# KiCad board WS2812B LED Ring7.kicad_pcb (continued)
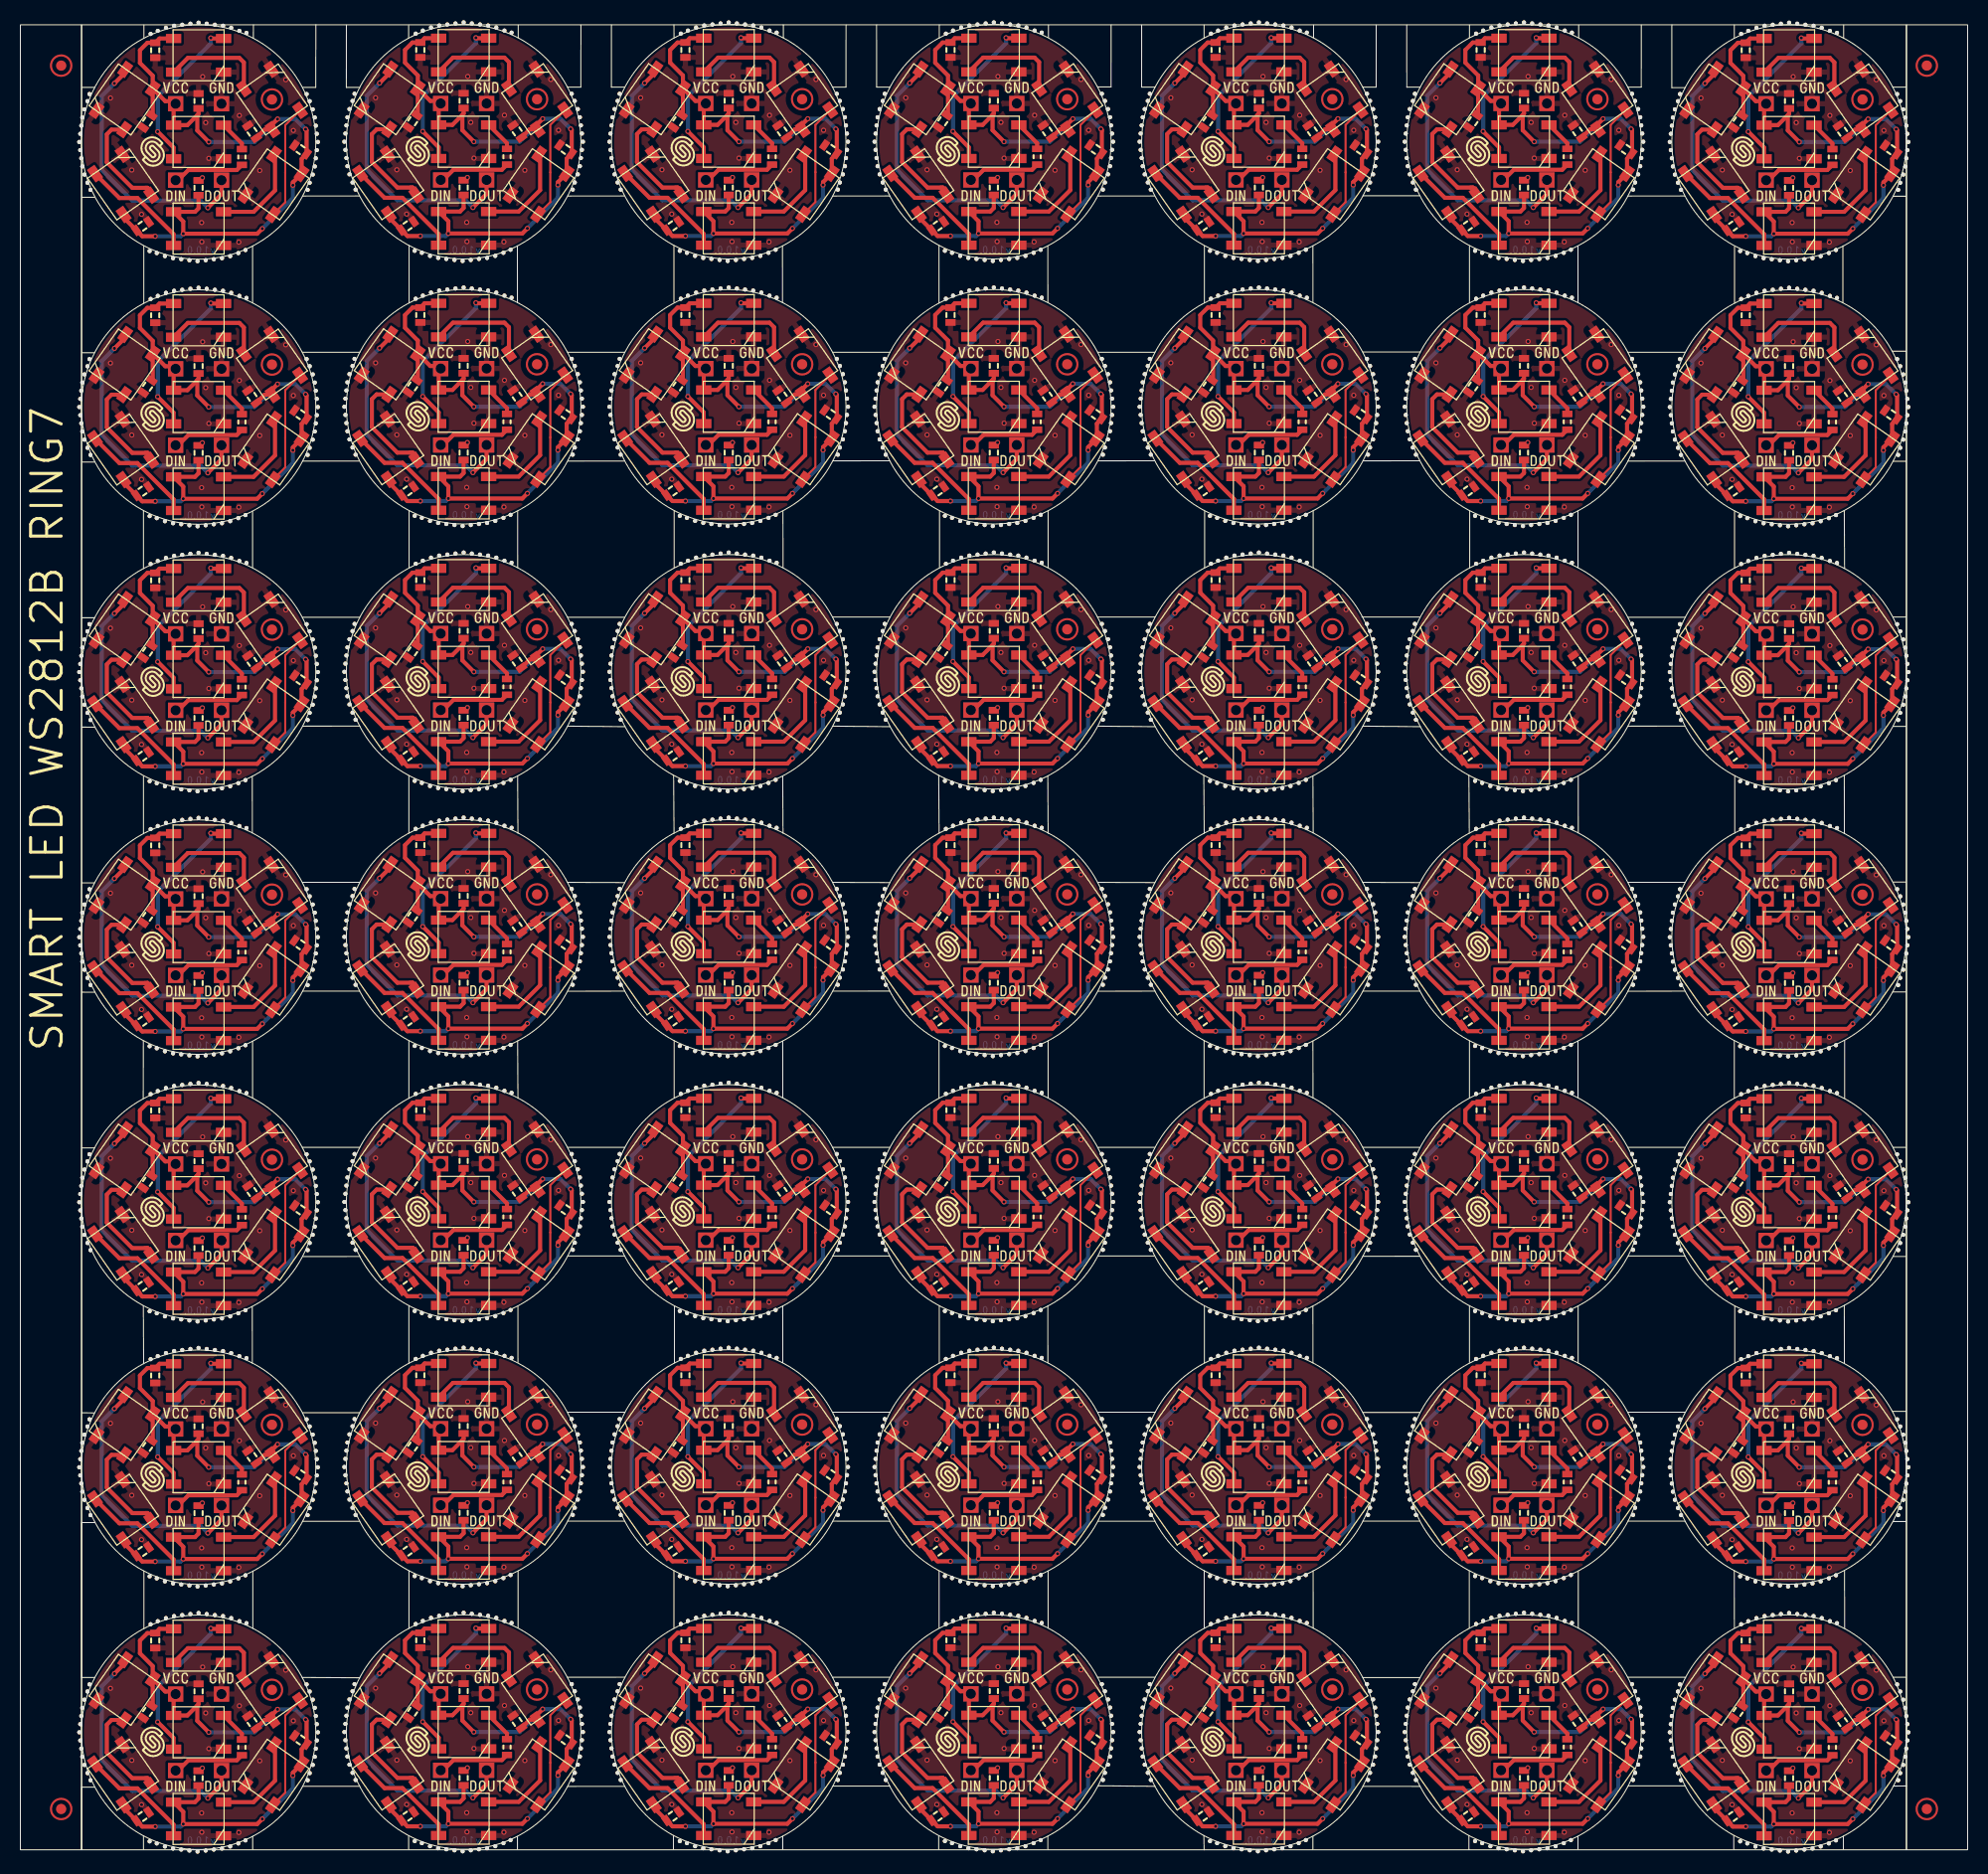
[diagram p0: board, top side]
## Placement (name value [footprint] x y rotation side) (continued)
REF**#1675  -  [HOLE_0.5mm]  28.88 143.94 0 top
REF**#1676  -  [HOLE_0.5mm]  122.28 153.16 90 top
REF**#1677  -  [HOLE_0.5mm]  132.18 32.86 0 top
REF**#1678  -  [HOLE_0.5mm]  18.97 52.03 270 top
REF**#1679  -  [HOLE_0.5mm]  121.47 179.26 90 top
REF**#1680  -  [HOLE_0.5mm]  21.47 100.44 90 top
REF**#1681  -  [HOLE_0.5mm]  42.58 103.96 270 top
REF**#1682  -  [HOLE_0.5mm]  6.58 137.53 180 top
REF**#1683  -  [HOLE_0.5mm]  107.07 142.36 0 top
REF**#1684  -  [HOLE_0.5mm]  32.08 13.96 180 top
REF**#1685  -  [HOLE_0.5mm]  149.88 152.96 90 top
REF**#1686  -  [HOLE_0.5mm]  132.38 145.56 0 top
REF**#1687  -  [HOLE_0.5mm]  80.97 91.16 0 top
REF**#1688  -  [HOLE_0.5mm]  80.97 113.96 0 top
REF**#1689  -  [HOLE_0.5mm]  119.88 23.06 90 top
REF**#1690  -  [HOLE_0.5mm]  135.88 36.76 180 top
REF**#1691  -  [HOLE_0.5mm]  150.57 130.36 270 top
REF**#1692  -  [HOLE_0.5mm]  32.28 86.36 180 top
REF**#1693  -  [HOLE_0.5mm]  125.38 78.66 270 top
REF**#1694  -  [HOLE_0.5mm]  124.57 156.36 270 top
REF**#1695  -  [HOLE_0.5mm]  54.97 13.16 0 top
REF**#1696  -  [HOLE_0.5mm]  44.17 77.96 270 top
REF**#1697  -  [HOLE_0.5mm]  162.78 42.23 180 top
REF**#1698  -  [HOLE_0.5mm]  110.88 58.86 180 top
REF**#1699  -  [HOLE_0.5mm]  161.78 37.53 180 top
REF**#1700  -  [HOLE_0.5mm]  41.88 75.06 90 top
REF**#1701  -  [HOLE_0.5mm]  80.97 13.16 0 top
REF**#1702  -  [HOLE_0.5mm]  32.08 65.96 180 top
REF**#1703  -  [HOLE_0.5mm]  100.18 22.26 90 top
REF**#1704  -  [HOLE_0.5mm]  17.47 75.23 90 top
REF**#1705  -  [HOLE_0.5mm]  54.97 117.16 0 top
REF**#1706  -  [HOLE_0.5mm]  6.08 113.13 180 top
REF**#1707  -  [HOLE_0.5mm]  32.58 41.56 180 top
REF**#1708  -  [HOLE_0.5mm]  144.18 0.36 270 top
REF**#1709  -  [HOLE_0.5mm]  84.57 171.56 180 top
REF**#1710  -  [HOLE_0.5mm]  106.38 15.56 0 top
REF**#1711  -  [HOLE_0.5mm]  73.47 178.46 90 top
REF**#1712  -  [HOLE_0.5mm]  149.78 26.16 270 top
REF**#1713  -  [HOLE_0.5mm]  28.38 93.53 0 top
REF**#1714  -  [HOLE_0.5mm]  43.47 153.26 90 top
REF**#1715  -  [HOLE_0.5mm]  109.97 139.96 180 top
REF**#1716  -  [HOLE_0.5mm]  123.88 22.96 90 top
REF**#1717  -  [HOLE_0.5mm]  45.78 0.16 270 top
REF**#1718  -  [HOLE_0.5mm]  74.07 0.96 270 top
REF**#1719  -  [HOLE_0.5mm]  83.97 13.16 180 top
REF**#1720  -  [HOLE_0.5mm]  161.78 11.53 180 top
REF**#1721  -  [HOLE_0.5mm]  170.28 178.73 90 top
REF**#1722  -  [HOLE_0.5mm]  5.78 63.53 180 top
REF**#1723  -  [HOLE_0.5mm]  162.07 13.94 180 top
REF**#1724  -  [HOLE_0.5mm]  19.88 126.94 90 top
REF**#1725  -  [HOLE_0.5mm]  45.78 130.16 270 top
REF**#1726  -  [HOLE_0.5mm]  94.68 49.16 90 top
REF**#1727  -  [HOLE_0.5mm]  16.58 77.94 270 top
REF**#1728  -  [HOLE_0.5mm]  54.38 41.56 0 top
REF**#1729  -  [HOLE_0.5mm]  92.28 100.76 90 top
REF**#1730  -  [HOLE_0.5mm]  161.97 65.13 180 top
REF**#1731  -  [HOLE_0.5mm]  73.38 130.66 270 top
REF**#1732  -  [HOLE_0.5mm]  19.78 26.13 270 top
REF**#1733  -  [HOLE_0.5mm]  173.38 77.83 270 top
REF**#1734  -  [HOLE_0.5mm]  158.68 144.76 0 top
REF**#1735  -  [HOLE_0.5mm]  80.38 145.56 0 top
REF**#1736  -  [HOLE_0.5mm]  84.88 32.86 180 top
REF**#1737  -  [HOLE_0.5mm]  110.88 136.86 180 top
REF**#1738  -  [HOLE_0.5mm]  92.18 78.36 270 top
REF**#1739  -  [HOLE_0.5mm]  110.28 118.76 180 top
REF**#1740  Logo-Front-SolderedFULL-15mm  [Logo-Back-SolderedFULL-15mm]  121.91 89.82 0 top
REF**#1741  -  [HOLE_0.5mm]  119.07 74.96 90 top
REF**#1742  -  [HOLE_0.5mm]  158.97 13.16 0 top
REF**#1743  -  [HOLE_0.5mm]  15.78 104.03 270 top
REF**#1744  -  [HOLE_0.5mm]  136.28 144.76 180 top
REF**#1745  Logo-Front-SolderedFULL-15mm  [Logo-Back-SolderedFULL-15mm]  69.91 89.82 0 top
REF**#1746  -  [HOLE_0.5mm]  136.57 67.56 180 top
REF**#1747  -  [HOLE_0.5mm]  69.47 127.26 90 top
REF**#1748  -  [HOLE_0.5mm]  32.88 84.86 180 top
REF**#1749  -  [HOLE_0.5mm]  18.28 127.13 90 top
REF**#1750  -  [HOLE_0.5mm]  32.28 14.76 180 top
REF**#1751  Logo-Front-SolderedFULL-15mm  [Logo-Back-SolderedFULL-15mm]  173.91 37.79 0 top
REF**#1752  -  [HOLE_0.5mm]  83.88 88.76 180 top
REF**#1753  -  [HOLE_0.5mm]  32.58 145.56 180 top
REF**#1754  -  [HOLE_0.5mm]  28.88 113.13 0 top
REF**#1755  -  [HOLE_0.5mm]  94.57 51.96 270 top
REF**#1756  -  [HOLE_0.5mm]  125.38 0.66 270 top
REF**#1757  -  [HOLE_0.5mm]  107.07 38.36 0 top
REF**#1758  -  [HOLE_0.5mm]  40.17 156.36 270 top
REF**#1759  -  [HOLE_0.5mm]  152.07 156.96 270 top
REF**#1760  -  [HOLE_0.5mm]  64.78 152.16 90 top
REF**#1761  -  [HOLE_0.5mm]  19.08 101.03 90 top
REF**#1762  -  [HOLE_0.5mm]  136.28 118.76 180 top
REF**#1763  -  [HOLE_0.5mm]  171.78 0.03 270 top
REF**#1764  -  [HOLE_0.5mm]  99.47 152.46 90 top
REF**#1765  -  [HOLE_0.5mm]  106.38 145.56 0 top
REF**#1766  -  [HOLE_0.5mm]  106.97 113.96 0 top
REF**#1767  -  [HOLE_0.5mm]  175.07 23.03 90 top
REF**#1768  -  [HOLE_0.5mm]  84.28 164.36 180 top
REF**#1769  -  [HOLE_0.5mm]  57.78 11.56 180 top
REF**#1770  -  [HOLE_0.5mm]  118.28 126.76 90 top
REF**#1771  -  [HOLE_0.5mm]  106.18 32.86 0 top
REF**#1772  -  [HOLE_0.5mm]  132.38 59.56 0 top
REF**#1773  -  [HOLE_0.5mm]  81.07 90.36 0 top
REF**#1774  -  [HOLE_0.5mm]  57.78 141.56 180 top
REF**#1775  -  [HOLE_0.5mm]  151.38 130.66 270 top
REF**#1776  -  [HOLE_0.5mm]  84.07 9.16 180 top
REF**#1777  -  [HOLE_0.5mm]  106.88 9.16 0 top
REF**#1778  -  [HOLE_0.5mm]  106.97 39.16 0 top
REF**#1779  -  [HOLE_0.5mm]  64.68 0.86 270 top
REF**#1780  -  [HOLE_0.5mm]  58.28 8.36 180 top
REF**#1781  -  [HOLE_0.5mm]  65.38 26.66 270 top
REF**#1782  -  [HOLE_0.5mm]  91.47 48.46 90 top
REF**#1783  -  [HOLE_0.5mm]  135.78 167.56 180 top
REF**#1784  -  [HOLE_0.5mm]  169.38 26.63 270 top
REF**#1785  -  [HOLE_0.5mm]  15.08 74.94 90 top
REF**#1786  -  [HOLE_0.5mm]  5.88 38.33 180 top
REF**#1787  -  [HOLE_0.5mm]  42.58 51.96 270 top
REF**#1788  -  [HOLE_0.5mm]  46.67 178.76 90 top
REF**#1789  -  [HOLE_0.5mm]  80.97 117.16 0 top
REF**#1790  -  [HOLE_0.5mm]  57.88 166.76 180 top
REF**#1791  -  [HOLE_0.5mm]  72.68 22.76 90 top
REF**#1792  -  [HOLE_0.5mm]  98.57 104.36 270 top
REF**#1793  -  [HOLE_0.5mm]  21.47 74.44 90 top
REF**#1794  -  [HOLE_0.5mm]  158.68 40.76 0 top
REF**#1795  -  [HOLE_0.5mm]  19.88 48.94 90 top
REF**#1796  -  [HOLE_0.5mm]  97.07 75.06 90 top
REF**#1797  -  [HOLE_0.5mm]  83.97 35.96 180 top
REF**#1798  -  [HOLE_0.5mm]  106.88 65.96 0 top
REF**#1799  -  [HOLE_0.5mm]  57.97 165.96 180 top
REF**#1800  -  [HOLE_0.5mm]  148.97 104.06 270 top
REF**#1801  -  [HOLE_0.5mm]  110.07 39.96 180 top
REF**#1802  -  [HOLE_0.5mm]  109.88 64.36 180 top
REF**#1803  -  [HOLE_0.5mm]  158.38 145.56 0 top
REF**#1804  -  [HOLE_0.5mm]  109.88 166.76 180 top
REF**#1805  -  [HOLE_0.5mm]  32.58 111.56 180 top
REF**#1806  -  [HOLE_0.5mm]  106.38 59.56 0 top
REF**#1807  -  [HOLE_0.5mm]  106.38 41.56 0 top
REF**#1808  -  [HOLE_0.5mm]  6.08 117.94 180 top
REF**#1809  -  [HOLE_0.5mm]  32.58 93.56 180 top
REF**#1810  -  [HOLE_0.5mm]  132.97 39.16 0 top
REF**#1811  -  [HOLE_0.5mm]  32.88 110.86 180 top
REF**#1812  -  [HOLE_0.5mm]  158.18 110.86 0 top
REF**#1813  -  [HOLE_0.5mm]  65.38 78.66 270 top
REF**#1814  -  [HOLE_0.5mm]  31.97 39.16 180 top
REF**#1815  -  [HOLE_0.5mm]  106.97 9.96 0 top
REF**#1816  -  [HOLE_0.5mm]  152.18 22.26 90 top
REF**#1817  -  [HOLE_0.5mm]  162.07 39.94 180 top
REF**#1818  -  [HOLE_0.5mm]  162.28 112.33 180 top
REF**#1819  -  [HOLE_0.5mm]  45.78 26.16 270 top
REF**#1820  -  [HOLE_0.5mm]  135.88 90.36 180 top
REF**#1821  -  [HOLE_0.5mm]  148.97 156.06 270 top
REF**#1822  -  [HOLE_0.5mm]  80.68 60.36 0 top
REF**#1823  -  [HOLE_0.5mm]  84.57 119.56 180 top
REF**#1824  -  [HOLE_0.5mm]  28.97 117.13 0 top
REF**#1825  -  [HOLE_0.5mm]  136.88 110.86 180 top
REF**#1826  -  [HOLE_0.5mm]  171.07 152.94 90 top
REF**#1827  -  [HOLE_0.5mm]  110.28 34.36 180 top
REF**#1828  -  [HOLE_0.5mm]  80.38 7.56 0 top
REF**#1829  -  [HOLE_0.5mm]  15.08 48.94 90 top
REF**#1830  -  [HOLE_0.5mm]  151.47 178.46 90 top
REF**#1831  -  [HOLE_0.5mm]  172.68 179.13 90 top
REF**#1832  -  [HOLE_0.5mm]  58.28 170.76 180 top
REF**#1833  -  [HOLE_0.5mm]  71.88 152.96 90 top
REF**#1834  -  [HOLE_0.5mm]  109.97 39.16 180 top
REF**#1835  -  [HOLE_0.5mm]  28.97 65.13 0 top
REF**#1836  -  [HOLE_0.5mm]  74.18 126.26 90 top
REF**#1837  -  [HOLE_0.5mm]  54.97 139.96 0 top
REF**#1838  -  [HOLE_0.5mm]  144.28 100.76 90 top
REF**#1839  -  [HOLE_0.5mm]  71.78 104.16 270 top
REF**#1840  -  [HOLE_0.5mm]  99.38 52.66 270 top
REF**#1841  -  [HOLE_0.5mm]  148.18 51.96 270 top
REF**#1842  -  [HOLE_0.5mm]  184.88 61.13 0 top
REF**#1843  -  [HOLE_0.5mm]  184.18 136.83 0 top
REF**#1844  -  [HOLE_0.5mm]  28.67 34.33 0 top
REF**#1845  -  [HOLE_0.5mm]  177.47 74.44 90 top
REF**#1846  -  [HOLE_0.5mm]  44.97 156.06 270 top
REF**#1847  -  [HOLE_0.5mm]  184.97 169.13 0 top
REF**#1848  -  [HOLE_0.5mm]  184.97 9.94 0 top
REF**#1849  -  [HOLE_0.5mm]  19.88 74.94 90 top
REF**#1850  -  [HOLE_0.5mm]  120.68 179.16 90 top
REF**#1851  -  [HOLE_0.5mm]  92.18 0.36 270 top
REF**#1852  -  [HOLE_0.5mm]  162.57 111.53 180 top
REF**#1853  -  [HOLE_0.5mm]  17.38 155.83 270 top
REF**#1854  -  [HOLE_0.5mm]  184.88 169.94 0 top
REF**#1855  -  [HOLE_0.5mm]  184.38 111.53 0 top
REF**#1856  -  [HOLE_0.5mm]  58.08 39.96 180 top
REF**#1857  -  [HOLE_0.5mm]  151.38 26.66 270 top
REF**#1858  -  [HOLE_0.5mm]  14.28 48.73 90 top
REF**#1859  -  [HOLE_0.5mm]  80.38 163.56 0 top
REF**#1860  -  [HOLE_0.5mm]  96.97 156.06 270 top
REF**#1861  -  [HOLE_0.5mm]  6.78 42.23 180 top
REF**#1862  -  [HOLE_0.5mm]  90.68 52.86 270 top
REF**#1863  -  [HOLE_0.5mm]  162.28 40.73 180 top
REF**#1864  -  [HOLE_0.5mm]  143.47 126.46 90 top
REF**#1865  -  [HOLE_0.5mm]  185.07 116.33 0 top
REF**#1866  -  [HOLE_0.5mm]  31.97 117.16 180 top
REF**#1867  -  [HOLE_0.5mm]  71.88 74.96 90 top
REF**#1868  -  [HOLE_0.5mm]  171.78 26.03 270 top
REF**#1869  -  [HOLE_0.5mm]  97.88 48.96 90 top
REF**#1870  -  [HOLE_0.5mm]  135.78 89.56 180 top
REF**#1871  -  [HOLE_0.5mm]  48.08 130.96 270 top
REF**#1872  -  [HOLE_0.5mm]  185.18 11.53 0 top
REF**#1873  -  [HOLE_0.5mm]  93.78 52.06 270 top
REF**#1874  -  [HOLE_0.5mm]  132.38 33.56 0 top
REF**#1875  -  [HOLE_0.5mm]  13.38 52.63 270 top
REF**#1876  -  [HOLE_0.5mm]  109.88 90.36 180 top
REF**#1877  -  [HOLE_0.5mm]  67.88 127.06 90 top
REF**#1878  -  [HOLE_0.5mm]  71.78 0.16 270 top
REF**#1879  -  [HOLE_0.5mm]  29.08 36.73 0 top
REF**#1880  -  [HOLE_0.5mm]  70.28 127.16 90 top
REF**#1881  -  [HOLE_0.5mm]  31.88 116.36 180 top
REF**#1882  -  [HOLE_0.5mm]  144.28 74.76 90 top
REF**#1883  -  [HOLE_0.5mm]  58.78 68.26 180 top
REF**#1884  -  [HOLE_0.5mm]  174.18 77.94 270 top
REF**#1885  -  [HOLE_0.5mm]  29.17 89.53 0 top
REF**#1886  -  [HOLE_0.5mm]  19.78 52.13 270 top
REF**#1887  -  [HOLE_0.5mm]  184.68 112.33 0 top
REF**#1888  -  [HOLE_0.5mm]  80.07 172.26 0 top
REF**#1889  -  [HOLE_0.5mm]  147.38 77.86 270 top
REF**#1890  -  [HOLE_0.5mm]  107.18 11.56 0 top
REF**#1891  -  [HOLE_0.5mm]  136.57 171.56 180 top
REF**#1892  -  [HOLE_0.5mm]  69.47 49.26 90 top
REF**#1893  -  [HOLE_0.5mm]  132.38 85.56 0 top
REF**#1894  -  [HOLE_0.5mm]  68.68 179.16 90 top
REF**#1895  -  [HOLE_0.5mm]  80.68 164.36 0 top
REF**#1896  -  [HOLE_0.5mm]  92.97 104.16 270 top
REF**#1897  -  [HOLE_0.5mm]  171.88 179.03 90 top
REF**#1898  -  [HOLE_0.5mm]  106.68 40.76 0 top
REF**#1899  -  [HOLE_0.5mm]  109.78 63.56 180 top
REF**#1900  -  [HOLE_0.5mm]  14.28 126.73 90 top
REF**#1901  -  [HOLE_0.5mm]  80.88 139.16 0 top
REF**#1902  -  [HOLE_0.5mm]  54.08 120.26 0 top
REF**#1903  -  [HOLE_0.5mm]  6.58 33.53 180 top
REF**#1904  -  [HOLE_0.5mm]  31.78 141.56 180 top
REF**#1905  -  [HOLE_0.5mm]  184.68 92.73 0 top
REF**#1906  -  [HOLE_0.5mm]  150.68 152.76 90 top
REF**#1907  -  [HOLE_0.5mm]  106.88 169.96 0 top
REF**#1908  -  [HOLE_0.5mm]  47.47 48.46 90 top
REF**#1909  -  [HOLE_0.5mm]  94.68 179.16 90 top
REF**#1910  -  [HOLE_0.5mm]  43.38 103.86 270 top
REF**#1911  -  [HOLE_0.5mm]  57.88 116.36 180 top
REF**#1912  -  [HOLE_0.5mm]  73.38 104.66 270 top
REF**#1913  -  [HOLE_0.5mm]  5.97 35.94 180 top
REF**#1914  -  [HOLE_0.5mm]  119.78 104.06 270 top
REF**#1915  -  [HOLE_0.5mm]  175.07 75.03 90 top
REF**#1916  -  [HOLE_0.5mm]  184.88 87.13 0 top
REF**#1917  -  [HOLE_0.5mm]  32.08 39.96 180 top
REF**#1918  -  [HOLE_0.5mm]  58.08 165.16 180 top
REF**#1919  -  [HOLE_0.5mm]  46.58 26.36 270 top
REF**#1920  -  [HOLE_0.5mm]  71.07 101.06 90 top
REF**#1921  -  [HOLE_0.5mm]  28.17 6.83 0 top
REF**#1922  -  [HOLE_0.5mm]  159.18 63.56 0 top
REF**#1923  -  [HOLE_0.5mm]  45.08 153.06 90 top
REF**#1924  -  [HOLE_0.5mm]  54.67 8.36 0 top
REF**#1925  -  [HOLE_0.5mm]  66.97 26.16 270 top
REF**#1926  -  [HOLE_0.5mm]  83.88 142.36 180 top
REF**#1927  -  [HOLE_0.5mm]  176.57 52.33 270 top
REF**#1928  -  [HOLE_0.5mm]  149.88 48.96 90 top
REF**#1929  -  [HOLE_0.5mm]  106.18 110.86 0 top
REF**#1930  -  [HOLE_0.5mm]  118.97 26.16 270 top
REF**#1931  -  [HOLE_0.5mm]  32.88 58.86 180 top
REF**#1932  -  [HOLE_0.5mm]  172.68 153.13 90 top
REF**#1933  -  [HOLE_0.5mm]  20.67 100.73 90 top
REF**#1934  -  [HOLE_0.5mm]  177.38 104.63 270 top
REF**#1935  -  [HOLE_0.5mm]  80.88 169.96 0 top
REF**#1936  -  [HOLE_0.5mm]  39.47 152.46 90 top
REF**#1937  -  [HOLE_0.5mm]  184.88 9.13 0 top
REF**#1938  -  [HOLE_0.5mm]  110.28 66.76 180 top
REF**#1939  -  [HOLE_0.5mm]  125.47 74.46 90 top
REF**#1940  -  [HOLE_0.5mm]  144.18 130.36 270 top
REF**#1941  -  [HOLE_0.5mm]  98.57 78.36 270 top
REF**#1942  -  [HOLE_0.5mm]  71.88 100.96 90 top
REF**#1943  -  [HOLE_0.5mm]  159.07 38.36 0 top
REF**#1944  -  [HOLE_0.5mm]  100.07 26.96 270 top
REF**#1945  -  [HOLE_0.5mm]  161.97 61.94 180 top
REF**#1946  -  [HOLE_0.5mm]  47.47 100.46 90 top
REF**#1947  -  [HOLE_0.5mm]  57.78 89.56 180 top
REF**#1948  -  [HOLE_0.5mm]  178.18 48.23 90 top
REF**#1949  -  [HOLE_0.5mm]  152.18 152.26 90 top
REF**#1950  -  [HOLE_0.5mm]  14.97 156.13 270 top
REF**#1951  -  [HOLE_0.5mm]  57.88 142.36 180 top
REF**#1952  -  [HOLE_0.5mm]  161.78 141.53 180 top
REF**#1953  -  [HOLE_0.5mm]  80.97 139.96 0 top
REF**#1954  -  [HOLE_0.5mm]  55.08 166.76 0 top
REF**#1955  -  [HOLE_0.5mm]  68.68 49.16 90 top
REF**#1956  -  [HOLE_0.5mm]  122.28 179.16 90 top
REF**#1957  -  [HOLE_0.5mm]  146.68 49.16 90 top
REF**#1958  -  [HOLE_0.5mm]  136.88 84.86 180 top
REF**#1959  -  [HOLE_0.5mm]  45.08 49.06 90 top
REF**#1960  -  [HOLE_0.5mm]  126.07 0.96 270 top
REF**#1961  -  [HOLE_0.5mm]  5.88 10.73 180 top
REF**#1962  -  [HOLE_0.5mm]  6.08 139.13 180 top
REF**#1963  -  [HOLE_0.5mm]  96.28 101.16 90 top
REF**#1964  -  [HOLE_0.5mm]  106.68 8.36 0 top
REF**#1965  -  [HOLE_0.5mm]  123.07 75.06 90 top
REF**#1966  -  [HOLE_0.5mm]  80.88 117.96 0 top
REF**#1967  -  [HOLE_0.5mm]  73.47 126.46 90 top
REF**#1968  -  [HOLE_0.5mm]  144.97 78.16 270 top
REF**#1969  -  [HOLE_0.5mm]  54.67 170.76 0 top
REF**#1970  -  [HOLE_0.5mm]  123.88 48.96 90 top
REF**#1971  -  [HOLE_0.5mm]  72.68 74.76 90 top
REF**#1972  -  [HOLE_0.5mm]  19.78 78.13 270 top
REF**#1973  -  [HOLE_0.5mm]  177.47 126.44 90 top
REF**#1974  -  [HOLE_0.5mm]  143.47 48.46 90 top
REF**#1975  -  [HOLE_0.5mm]  100.18 178.26 90 top
REF**#1976  -  [HOLE_0.5mm]  28.67 164.33 0 top
REF**#1977  -  [HOLE_0.5mm]  170.97 78.13 270 top
REF**#1978  -  [HOLE_0.5mm]  91.47 126.46 90 top
REF**#1979  -  [HOLE_0.5mm]  80.88 13.96 0 top
REF**#1980  -  [HOLE_0.5mm]  106.07 172.26 0 top
REF**#1981  Logo-Front-SolderedFULL-15mm  [Logo-Back-SolderedFULL-15mm]  95.91 11.82 0 top
REF**#1982  -  [HOLE_0.5mm]  94.57 25.96 270 top
REF**#1983  -  [HOLE_0.5mm]  80.18 110.86 0 top
REF**#1984  -  [HOLE_0.5mm]  133.07 64.36 0 top
REF**#1985  -  [HOLE_0.5mm]  31.88 114.76 180 top
REF**#1986  -  [HOLE_0.5mm]  84.57 7.56 180 top
REF**#1987  -  [HOLE_0.5mm]  69.47 23.26 90 top
REF**#1988  -  [HOLE_0.5mm]  92.18 156.36 270 top
REF**#1989  -  [HOLE_0.5mm]  119.88 153.06 90 top
REF**#1990  -  [HOLE_0.5mm]  48.08 0.96 270 top
REF**#1991  -  [HOLE_0.5mm]  96.97 78.06 270 top
REF**#1992  -  [HOLE_0.5mm]  110.57 145.56 180 top
REF**#1993  -  [HOLE_0.5mm]  107.18 167.56 0 top
REF**#1994  -  [HOLE_0.5mm]  43.38 129.86 270 top
REF**#1995  -  [HOLE_0.5mm]  184.07 146.23 0 top
REF**#1996  -  [HOLE_0.5mm]  159.07 64.36 0 top
REF**#1997  -  [HOLE_0.5mm]  31.78 11.56 180 top
REF**#1998  -  [HOLE_0.5mm]  57.97 35.96 180 top
REF**#1999  -  [HOLE_0.5mm]  40.28 100.76 90 top
REF**#2000  -  [HOLE_0.5mm]  118.28 48.76 90 top
REF**#2001  -  [HOLE_0.5mm]  19.08 153.03 90 top
REF**#2002  -  [HOLE_0.5mm]  133.07 10.76 0 top
REF**#2003  -  [HOLE_0.5mm]  44.28 127.16 90 top
REF**#2004  -  [HOLE_0.5mm]  132.88 91.96 0 top
REF**#2005  -  [HOLE_0.5mm]  178.18 152.23 90 top
REF**#2006  -  [HOLE_0.5mm]  57.88 168.36 180 top
REF**#2007  -  [HOLE_0.5mm]  109.88 114.76 180 top
REF**#2008  -  [HOLE_0.5mm]  67.07 48.96 90 top
REF**#2009  -  [HOLE_0.5mm]  28.88 61.13 0 top
REF**#2010  -  [HOLE_0.5mm]  70.28 101.16 90 top
REF**#2011  -  [HOLE_0.5mm]  43.47 101.26 90 top
REF**#2012  -  [HOLE_0.5mm]  168.68 156.83 270 top
REF**#2013  -  [HOLE_0.5mm]  161.97 143.13 180 top
REF**#2014  -  [HOLE_0.5mm]  170.28 126.73 90 top
REF**#2015  -  [HOLE_0.5mm]  65.38 52.66 270 top
REF**#2016  -  [HOLE_0.5mm]  106.18 6.86 0 top
REF**#2017  -  [HOLE_0.5mm]  6.28 14.73 180 top
REF**#2018  -  [HOLE_0.5mm]  107.07 62.76 0 top
REF**#2019  -  [HOLE_0.5mm]  173.38 -0.17 270 top
REF**#2020  -  [HOLE_0.5mm]  184.38 33.53 0 top
REF**#2021  -  [HOLE_0.5mm]  90.78 22.16 90 top
REF**#2022  -  [HOLE_0.5mm]  133.07 12.36 0 top
REF**#2023  -  [HOLE_0.5mm]  72.57 104.36 270 top
REF**#2024  -  [HOLE_0.5mm]  170.18 130.33 270 top
REF**#2025  -  [HOLE_0.5mm]  41.78 104.06 270 top
REF**#2026  -  [HOLE_0.5mm]  80.18 136.86 0 top
REF**#2027  -  [HOLE_0.5mm]  72.68 152.76 90 top
REF**#2028  -  [HOLE_0.5mm]  58.08 13.96 180 top
REF**#2029  -  [HOLE_0.5mm]  162.28 138.33 180 top
REF**#2030  -  [HOLE_0.5mm]  97.78 130.16 270 top
REF**#2031  -  [HOLE_0.5mm]  70.97 104.06 270 top
REF**#2032  -  [HOLE_0.5mm]  173.38 155.83 270 top
REF**#2033  -  [HOLE_0.5mm]  136.28 8.36 180 top
REF**#2034  -  [HOLE_0.5mm]  42.67 49.16 90 top
REF**#2035  -  [HOLE_0.5mm]  28.97 9.94 0 top
REF**#2036  -  [HOLE_0.5mm]  132.68 60.36 0 top
REF**#2037  -  [HOLE_0.5mm]  57.88 88.76 180 top
REF**#2038  -  [HOLE_0.5mm]  6.28 164.33 180 top
REF**#2039  -  [HOLE_0.5mm]  172.57 -0.06 270 top
REF**#2040  -  [HOLE_0.5mm]  132.07 172.26 0 top
REF**#2041  Logo-Front-SolderedFULL-15mm  [Logo-Back-SolderedFULL-15mm]  69.91 37.82 0 top
REF**#2042  -  [HOLE_0.5mm]  66.18 0.36 270 top
REF**#2043  -  [HOLE_0.5mm]  136.57 111.56 180 top
REF**#2044  -  [HOLE_0.5mm]  74.07 156.96 270 top
REF**#2045  -  [HOLE_0.5mm]  173.47 49.23 90 top
REF**#2046  -  [HOLE_0.5mm]  39.38 78.66 270 top
REF**#2047  -  [HOLE_0.5mm]  92.18 130.36 270 top
REF**#2048  -  [HOLE_0.5mm]  175.07 49.03 90 top
REF**#2049  -  [HOLE_0.5mm]  54.38 67.56 0 top
REF**#2050  -  [HOLE_0.5mm]  13.38 0.63 270 top
REF**#2051  -  [HOLE_0.5mm]  185.07 168.33 0 top
REF**#2052  -  [HOLE_0.5mm]  21.47 178.44 90 top
REF**#2053  -  [HOLE_0.5mm]  58.28 34.36 180 top
REF**#2054  -  [HOLE_0.5mm]  99.38 26.66 270 top
REF**#2055  -  [HOLE_0.5mm]  93.07 22.96 90 top
REF**#2056  -  [HOLE_0.5mm]  123.07 127.06 90 top
REF**#2057  -  [HOLE_0.5mm]  83.97 61.96 180 top
REF**#2058  -  [HOLE_0.5mm]  80.07 68.26 0 top
REF**#2059  -  [HOLE_0.5mm]  106.88 13.96 0 top
REF**#2060  -  [HOLE_0.5mm]  185.18 167.53 0 top
REF**#2061  -  [HOLE_0.5mm]  132.38 171.56 0 top
REF**#2062  -  [HOLE_0.5mm]  110.07 35.16 180 top
REF**#2063  -  [HOLE_0.5mm]  107.07 140.76 0 top
REF**#2064  -  [HOLE_0.5mm]  29.08 38.33 0 top
REF**#2065  -  [HOLE_0.5mm]  31.88 64.36 180 top
REF**#2066  -  [HOLE_0.5mm]  145.88 127.06 90 top
REF**#2067  -  [HOLE_0.5mm]  109.97 35.96 180 top
REF**#2068  -  [HOLE_0.5mm]  28.88 91.94 0 top
REF**#2069  -  [HOLE_0.5mm]  106.38 163.56 0 top
REF**#2070  -  [HOLE_0.5mm]  84.07 65.96 180 top
REF**#2071  -  [HOLE_0.5mm]  123.07 23.06 90 top
REF**#2072  -  [HOLE_0.5mm]  162.28 86.33 180 top
REF**#2073  -  [HOLE_0.5mm]  54.08 68.26 0 top
REF**#2074  -  [HOLE_0.5mm]  124.68 74.76 90 top
REF**#2075  -  [HOLE_0.5mm]  184.38 93.53 0 top
REF**#2076  -  [HOLE_0.5mm]  118.97 0.16 270 top
REF**#2077  -  [HOLE_0.5mm]  145.07 74.96 90 top
REF**#2078  -  [HOLE_0.5mm]  109.97 165.96 180 top
REF**#2079  -  [HOLE_0.5mm]  171.78 156.03 270 top
REF**#2080  -  [HOLE_0.5mm]  80.97 143.16 0 top
REF**#2081  -  [HOLE_0.5mm]  124.57 52.36 270 top
REF**#2082  -  [HOLE_0.5mm]  84.57 15.56 180 top
REF**#2083  -  [HOLE_0.5mm]  158.68 118.76 0 top
REF**#2084  -  [HOLE_0.5mm]  66.28 126.76 90 top
REF**#2085  -  [HOLE_0.5mm]  58.08 9.16 180 top
REF**#2086  -  [HOLE_0.5mm]  57.78 167.56 180 top
REF**#2087  -  [HOLE_0.5mm]  136.57 7.56 180 top
REF**#2088  -  [HOLE_0.5mm]  57.97 143.16 180 top
REF**#2089  -  [HOLE_0.5mm]  168.68 130.83 270 top
REF**#2090  -  [HOLE_0.5mm]  158.97 169.16 0 top
REF**#2091  -  [HOLE_0.5mm]  28.08 68.23 0 top
REF**#2092  -  [HOLE_0.5mm]  65.47 152.46 90 top
REF**#2093  -  [HOLE_0.5mm]  83.88 140.76 180 top
REF**#2094  -  [HOLE_0.5mm]  162.07 61.13 180 top
REF**#2095  -  [HOLE_0.5mm]  142.68 156.86 270 top
REF**#2096  -  [HOLE_0.5mm]  80.68 40.76 0 top
REF**#2097  -  [HOLE_0.5mm]  38.67 26.86 270 top
REF**#2098  -  [HOLE_0.5mm]  177.38 0.63 270 top
REF**#2099  -  [HOLE_0.5mm]  158.68 164.36 0 top
REF**#2100  -  [HOLE_0.5mm]  80.97 65.16 0 top
REF**#2101  -  [HOLE_0.5mm]  168.78 178.13 90 top
REF**#2102  -  [HOLE_0.5mm]  146.68 179.16 90 top
REF**#2103  -  [HOLE_0.5mm]  83.78 141.56 180 top
REF**#2104  -  [HOLE_0.5mm]  171.07 74.94 90 top
REF**#2105  -  [HOLE_0.5mm]  158.88 139.16 0 top
REF**#2106  -  [HOLE_0.5mm]  91.38 26.66 270 top
REF**#2107  -  [HOLE_0.5mm]  172.68 75.13 90 top
REF**#2108  -  [HOLE_0.5mm]  64.78 178.16 90 top
REF**#2109  -  [HOLE_0.5mm]  136.57 137.56 180 top
REF**#2110  -  [HOLE_0.5mm]  57.97 13.16 180 top
REF**#2111  -  [HOLE_0.5mm]  32.28 40.76 180 top
REF**#2112  -  [HOLE_0.5mm]  184.18 6.83 0 top
REF**#2113  -  [HOLE_0.5mm]  118.97 156.16 270 top
REF**#2114  -  [HOLE_0.5mm]  46.58 156.36 270 top
REF**#2115  -  [HOLE_0.5mm]  54.67 34.36 0 top
REF**#2116  -  [HOLE_0.5mm]  19.88 152.94 90 top
REF**#2117  -  [HOLE_0.5mm]  144.97 52.16 270 top
REF**#2118  -  [HOLE_0.5mm]  136.28 40.76 180 top
REF**#2119  -  [HOLE_0.5mm]  174.28 101.13 90 top
REF**#2120  -  [HOLE_0.5mm]  124.57 0.36 270 top
REF**#2121  -  [HOLE_0.5mm]  54.67 86.36 0 top
REF**#2122  -  [HOLE_0.5mm]  66.18 130.36 270 top
REF**#2123  -  [HOLE_0.5mm]  48.08 52.96 270 top
REF**#2124  -  [HOLE_0.5mm]  32.28 8.36 180 top
REF**#2125  -  [HOLE_0.5mm]  65.38 104.66 270 top
REF**#2126  -  [HOLE_0.5mm]  158.68 92.76 0 top
REF**#2127  -  [HOLE_0.5mm]  45.88 100.96 90 top
REF**#2128  -  [HOLE_0.5mm]  175.78 104.13 270 top
REF**#2129  -  [HOLE_0.5mm]  92.18 26.36 270 top
REF**#2130  -  [HOLE_0.5mm]  84.78 146.26 180 top
REF**#2131  -  [HOLE_0.5mm]  147.47 101.26 90 top
REF**#2132  -  [HOLE_0.5mm]  57.97 117.16 180 top
REF**#2133  -  [HOLE_0.5mm]  45.78 156.16 270 top
REF**#2134  -  [HOLE_0.5mm]  178.07 52.94 270 top
REF**#2135  -  [HOLE_0.5mm]  107.18 37.56 0 top
REF**#2136  -  [HOLE_0.5mm]  145.07 48.96 90 top
REF**#2137  -  [HOLE_0.5mm]  185.07 114.73 0 top
REF**#2138  -  [HOLE_0.5mm]  55.17 115.56 0 top
REF**#2139  -  [HOLE_0.5mm]  168.68 78.83 270 top
REF**#2140  -  [HOLE_0.5mm]  28.97 143.13 0 top
REF**#2141  -  [HOLE_0.5mm]  54.38 93.56 0 top
REF**#2142  -  [HOLE_0.5mm]  110.07 13.96 180 top
REF**#2143  -  [HOLE_0.5mm]  47.47 74.46 90 top
REF**#2144  -  [HOLE_0.5mm]  142.68 26.86 270 top
REF**#2145  -  [HOLE_0.5mm]  91.47 22.46 90 top
REF**#2146  -  [HOLE_0.5mm]  54.88 143.96 0 top
REF**#2147  -  [HOLE_0.5mm]  122.28 75.16 90 top
REF**#2148  -  [HOLE_0.5mm]  80.68 138.36 0 top
REF**#2149  -  [HOLE_0.5mm]  170.28 100.73 90 top
REF**#2150  -  [HOLE_0.5mm]  38.78 178.16 90 top
REF**#2151  -  [HOLE_0.5mm]  15.78 156.03 270 top
REF**#2152  -  [HOLE_0.5mm]  71.78 78.16 270 top
REF**#2153  -  [HOLE_0.5mm]  109.78 89.56 180 top
REF**#2154  -  [HOLE_0.5mm]  110.07 169.96 180 top
REF**#2155  -  [HOLE_0.5mm]  44.28 179.16 90 top
REF**#2156  -  [HOLE_0.5mm]  110.07 9.16 180 top
REF**#2157  -  [HOLE_0.5mm]  38.67 156.86 270 top
REF**#2158  -  [HOLE_0.5mm]  158.38 93.56 0 top
REF**#2159  -  [HOLE_0.5mm]  43.47 179.26 90 top
REF**#2160  -  [HOLE_0.5mm]  142.78 22.16 90 top
REF**#2161  -  [HOLE_0.5mm]  14.97 104.13 270 top
REF**#2162  -  [HOLE_0.5mm]  17.38 -0.17 270 top
REF**#2163  -  [HOLE_0.5mm]  174.97 130.03 270 top
REF**#2164  -  [HOLE_0.5mm]  58.58 59.56 180 top
REF**#2165  -  [HOLE_0.5mm]  110.07 61.16 180 top
REF**#2166  -  [HOLE_0.5mm]  177.38 156.63 270 top
REF**#2167  -  [HOLE_0.5mm]  83.88 166.76 180 top
REF**#2168  -  [HOLE_0.5mm]  6.58 93.53 180 top
REF**#2169  -  [HOLE_0.5mm]  119.78 156.06 270 top
REF**#2170  Logo-Front-SolderedFULL-15mm  [Logo-Back-SolderedFULL-15mm]  173.91 89.79 0 top
REF**#2171  -  [HOLE_0.5mm]  118.18 104.36 270 top
REF**#2172  -  [HOLE_0.5mm]  97.78 104.16 270 top
REF**#2173  -  [HOLE_0.5mm]  136.07 35.16 180 top
REF**#2174  -  [HOLE_0.5mm]  68.57 25.96 270 top
REF**#2175  -  [HOLE_0.5mm]  158.97 65.16 0 top
REF**#2176  -  [HOLE_0.5mm]  28.17 32.83 0 top
REF**#2177  -  [HOLE_0.5mm]  161.88 88.73 180 top
